# Altium PCB Gesturelink V1.PcbDoc (part 1 of 9) (continued)
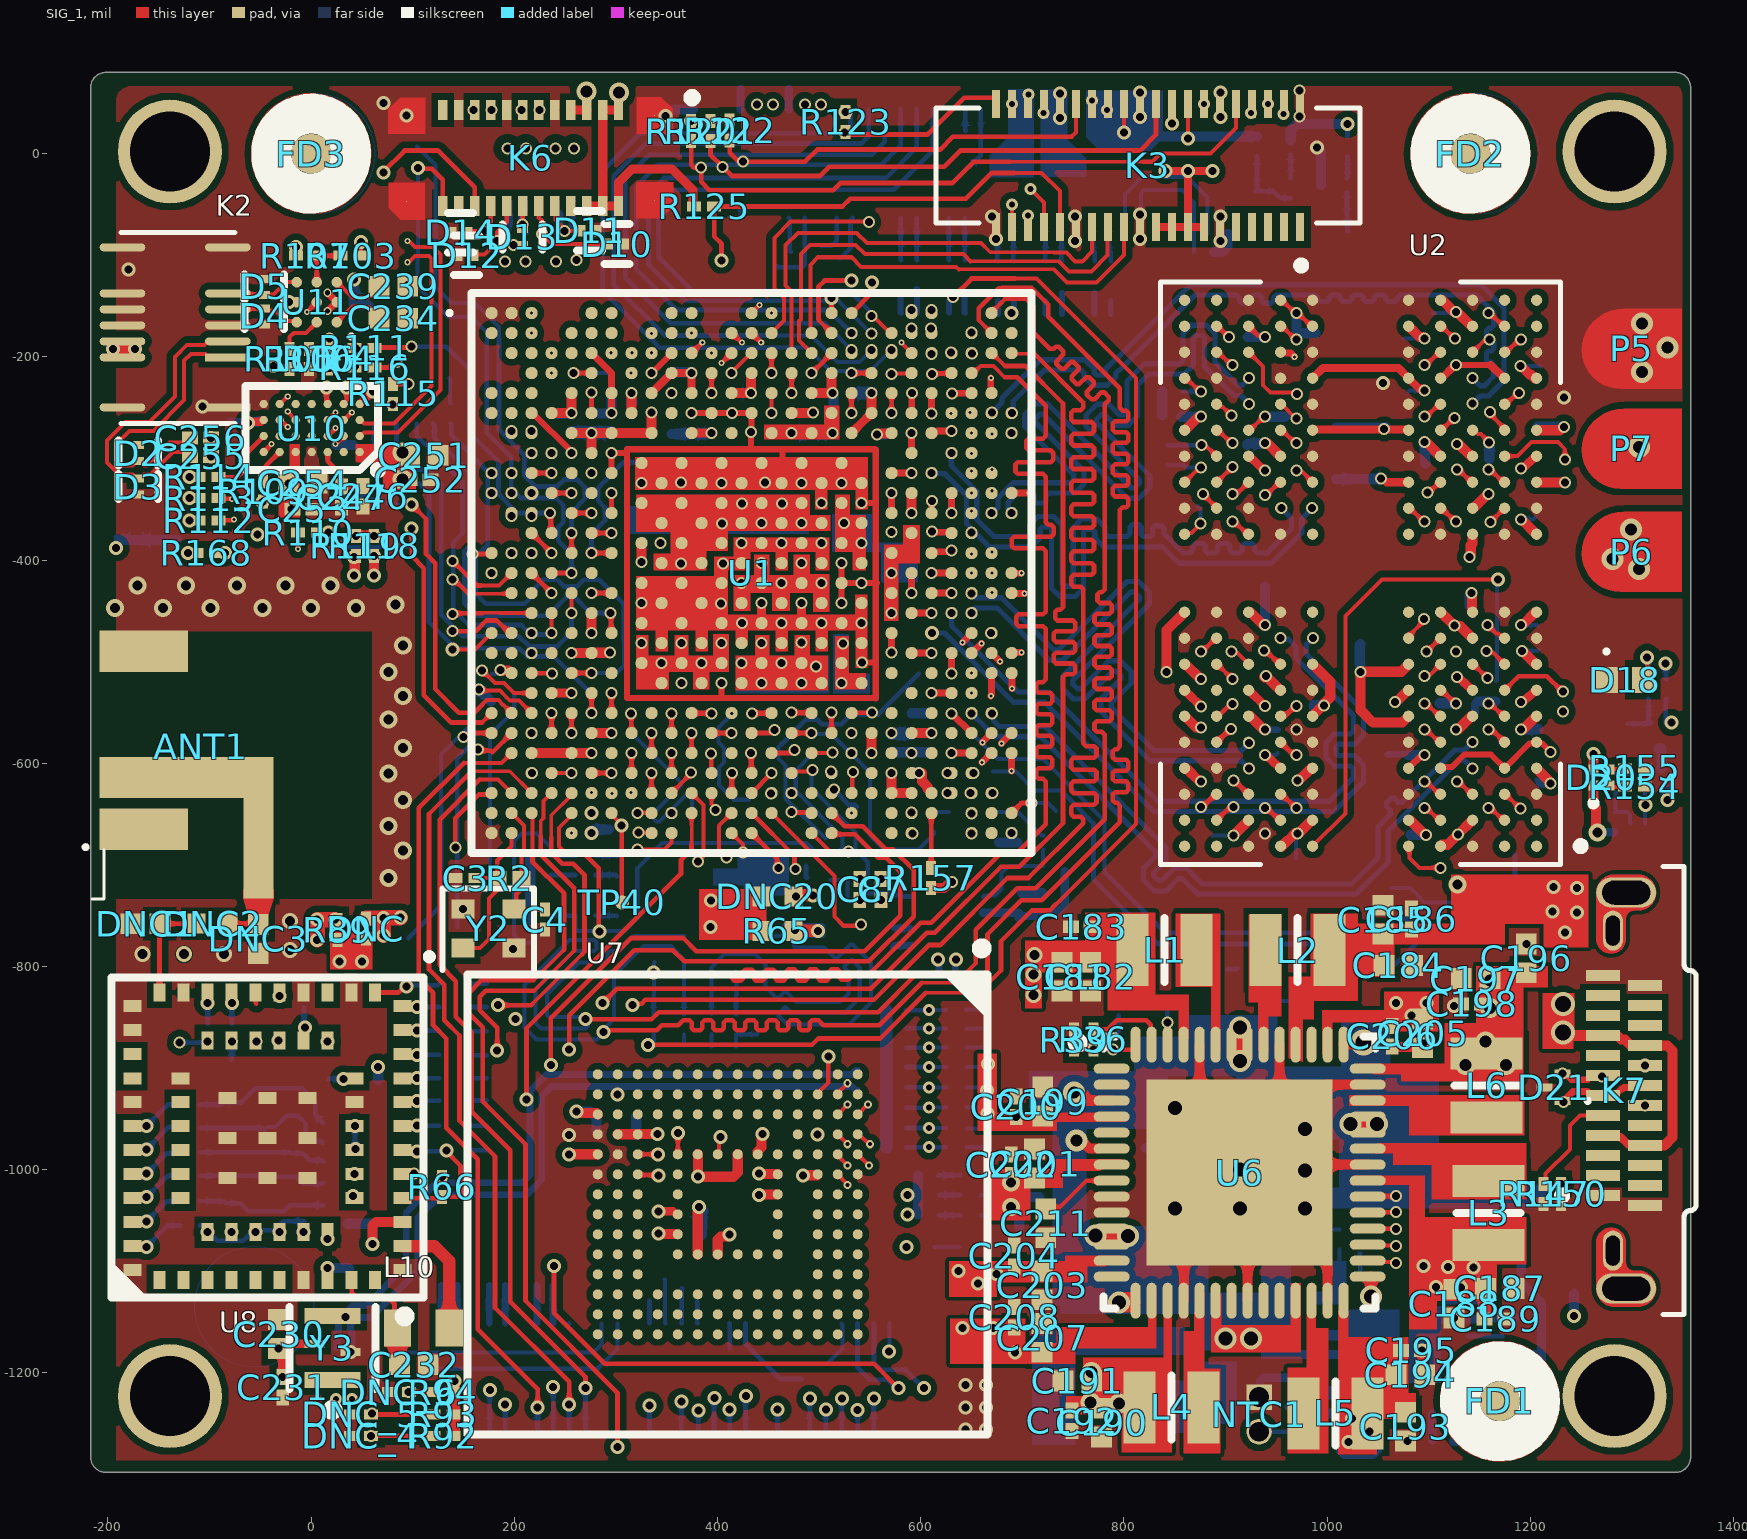
[diagram p0: SIG_1 view]
## Design rules (kind name [scope] priority, off if disabled: settings) (continued)
Width SPI_IMU [InNetClass('SPI_IMU')] p6: maxlimit=10 minlimit=4.63 preferedwidth=4.91 midlayer1_minwidth=4.67 midlayer1_maxwidth=4.67 midlayer1_prefwidth=4.67 midlayer2_maxwidth=4.63 midlayer2_prefwidth=4.63 midlayer3_minwidth=4.67 midlayer3_maxwidth=4.67 midlayer3_prefwidth=4.67 midlayer4_maxwidth=4.63 midlayer4_prefwidth=4.63 midlayer5_minwidth=4.91 midlayer5_maxwidth=4.91 midlayer6_minwidth=4.91 midlayer6_maxwidth=4.91 midlayer7_maxwidth=4.63 midlayer7_prefwidth=4.63 midlayer8_minwidth=4.67 midlayer8_maxwidth=4.67 midlayer8_prefwidth=4.67 midlayer9_maxwidth=4.63 midlayer9_prefwidth=4.63 midlayer10_minwidth=4.67 midlayer10_maxwidth=4.67 midlayer10_prefwidth=4.67 impedanceprofiledriven=TRUE impedanceprofileid={B0973272-D3A9-405B-967C-1AA3439E10BB} impedanceprofilevalue=50.000000 minimp=50.000000 maximp=50.000000 favimp=50.000000
Width DSI [InNetClass('MIPI DSI')] p7: maxlimit=10 minlimit=3.94 preferedwidth=4.91 midlayer1_minwidth=4.67 midlayer1_maxwidth=4.67 midlayer1_prefwidth=4.67 midlayer2_maxwidth=4.63 midlayer2_prefwidth=4.63 midlayer3_maxwidth=4.67 midlayer3_prefwidth=4.67 midlayer4_minwidth=4.63 midlayer4_maxwidth=4.63 midlayer4_prefwidth=4.63 midlayer5_minwidth=4.91 midlayer5_maxwidth=4.91 midlayer6_minwidth=4.91 midlayer6_maxwidth=4.91 midlayer7_minwidth=4.63 midlayer7_maxwidth=4.63 midlayer7_prefwidth=4.63 midlayer8_minwidth=4.67 midlayer8_maxwidth=4.67 midlayer8_prefwidth=4.67 midlayer9_minwidth=4.63 midlayer9_maxwidth=4.63 midlayer9_prefwidth=4.63 midlayer10_minwidth=4.67 midlayer10_maxwidth=4.67 midlayer10_prefwidth=4.67 minimp=50.000000 maximp=50.000000 favimp=50.000000
Width "LPDDR4_DAT & A/C" [InNetClass('LPDDR4_DATA')] p8: maxlimit=6.69 minlimit=3.71 preferedwidth=3.71 toplayer_minwidth=6.69 toplayer_prefwidth=6.69 midlayer1_minwidth=3.75 midlayer1_maxwidth=3.75 midlayer1_prefwidth=3.75 midlayer2_maxwidth=3.71 midlayer3_minwidth=3.75 midlayer3_maxwidth=3.75 midlayer3_prefwidth=3.75 midlayer4_maxwidth=3.71 midlayer5_minwidth=3.96 midlayer5_maxwidth=3.96 midlayer5_prefwidth=3.96 midlayer6_minwidth=3.96 midlayer6_maxwidth=3.96 midlayer6_prefwidth=3.96 midlayer7_maxwidth=3.71 midlayer8_minwidth=3.75 midlayer8_maxwidth=3.75 midlayer8_prefwidth=3.75 midlayer9_maxwidth=3.71 midlayer10_minwidth=3.75 midlayer10_maxwidth=3.75 midlayer10_prefwidth=3.75 bottomlayer_minwidth=6.69 bottomlayer_prefwidth=6.69 impedanceprofiledriven=TRUE impedanceprofileid={F86DD7B6-2C8A-4FE9-BEBE-EECCAF230F86} impedanceprofilevalue=55.000000 minimp=50.000000 maximp=50.000000 favimp=50.000000 checkconnectedcopper=TRUE
Width ALL [All] p9: maxlimit=5 minlimit=4 preferedwidth=4.91 midlayer1_minwidth=4.67 midlayer1_maxwidth=4.67 midlayer1_prefwidth=4.67 midlayer2_minwidth=4.63 midlayer2_maxwidth=4.63 midlayer2_prefwidth=4.63 midlayer3_minwidth=4.67 midlayer3_maxwidth=4.67 midlayer3_prefwidth=4.67 midlayer4_minwidth=4.63 midlayer4_maxwidth=4.63 midlayer4_prefwidth=4.63 midlayer5_minwidth=4.91 midlayer5_maxwidth=4.91 midlayer6_minwidth=4.91 midlayer6_maxwidth=4.91 midlayer7_minwidth=4.63 midlayer7_maxwidth=4.63 midlayer7_prefwidth=4.63 midlayer8_minwidth=4.67 midlayer8_maxwidth=4.67 midlayer8_prefwidth=4.67 midlayer9_minwidth=4.63 midlayer9_maxwidth=4.63 midlayer9_prefwidth=4.63 midlayer10_minwidth=4.67 midlayer10_maxwidth=4.67 midlayer10_prefwidth=4.67 minimp=50.000000 maximp=50.000000 favimp=50.000000
24 further rules are at their usual default settings.

## Classes and differential pairs
net class "High Speed Digital": COMBO_TX_N COMBO_TX_P PCIE_CLKIN_N PCIE_CLKIN_P PCIE_RX_N PCIE_RX_P PCIE_TX_N PCIE_TX_P USB3.0_A_D_N USB3.0_A_D_P USB3.0_BACK_N USB3.0_BACK_P USB3.0_BB_N USB3.0_BB_P USB3.0_D_N USB3.0_D_P USB_N USB_P WIFI_USB_N WIFI_USB_P
net class MPU_PWR: VDD_SOC_0V8
net class PMIC_BUCK: MPU_VIN
net class BAT_PACK_CHARGE_IN: LIPO_IN LIPO_IN_CHARGER MPU_VIN
net class IMU_INTERRUPTS: EXT_ADC_IRQ GPIO_EXTENDER_IRQ GPIO_EXTENDER_RESET
net class Ethernet: ETH1_MDIO ETH_RGMII_GTX_CLK ETH_RGMII_MDC ETH_RGMII_RX_CLK ETH_RGMII_RXC ETH_RGMII_RXD0 ETH_RGMII_RXD1 ETH_RGMII_RXD2 ETH_RGMII_RXD3 ETH_RGMII_TX_CTL ETH_RGMII_TXD0 ETH_RGMII_TXD1 ETH_RGMII_TXD2 ETH_RGMII_TXD3
net class USB_CHARGE_INPUT: GND NetK7_A5 NetK7_B5 NetK?_A2 NetK?_A3 NetK?_A8 NetK?_A10 NetK?_A11 NetK?_B2 NetK?_B3 NetK?_B8 NetK?_B10 NetK?_B11 NetQ3_1 STATUS_EXT_USB_MPU SYS_3V3 USB_N USB_P USB_VIN
net class STSAFE: GND I2C5_SCL I2C5_SDA NetR141_1 NetR142_1 NetR143_1 NetU50_1 NetU50_3 NetU50_6 STSAFE_RESET SYS_3V3
net class "IND_LEDS for Charging Mode": BAT_PACK_IN GND NetD20_2 NetD20_3 USB_VIN
net class BAT_PACK_CHARGE_INPUT: BAT_PACK_IN GND NetK200_1 NetQ4_1 STAT_IND STATUS_EXT_BAT_MPU SYS_3V3
net class "WIFI STRAP GPIO": NetDNC_4_1 NetDNC_5_1 NetDNC_6_1
net class WIFI_JTAG: WIFI_JTAG_SEL WIFI_NTRST WIFI_SWCLK WIFI_SWDIO WIFI_TDI WIFI_TDO
net class "WiFi & BlueTooth": BT_GPIO_3 GND NetC231_2 NetC232_2 NetDNC_4_1 NetDNC_5_1 NetDNC_6_1 NetR66_2 NetR67_2 NetR73_2 NetR74_2 NetR75_2 NetR76_2 NetR77_2 NetR78_2 NetR79_2 NetR80_2 NetR82_2 NetR83_1 NetR83_2 NetR90_1 NetR91_1 NetTP_12 NetU1_L7 NetU1_P2 NetU1_R2 NetU6_15 NetU6_25 NetU6_26 NetU6_35 NetU6_36 NetU6_37 NetU6_38 NetU6_39 NetU6_40 NetU6_44 NetU6_58 NetU6_59 NetU6_60 NetU6_61 NetU6_62 NetU8_5 NetY3_1 RF_OUT SAI2_FS_B SAI2_SCK_B SAI2_SD_A_R SAI2_SD_B_T SDMMC3_DAT0 SDMMC3_DAT1 SDMMC3_DAT2 SDMMC3_DAT3 SR_VLX SYS_1V8 SYS_3V3 UART8_CTS UART8_RTS UART8_RX UART8_TX WIFI_JTAG_SEL WIFI_NTRST WIFI_SDIO_CLK WIFI_SDIO_CMD WIFI_SDIO_DAT0 WIFI_SDIO_DAT1 WIFI_SDIO_DAT2 WIFI_SDIO_DAT3 WIFI_SDMMC3_CK WIFI_SDMMC3_CMD WIFI_SDMMC3_DAT0 WIFI_SDMMC3_DAT1 WIFI_SDMMC3_DAT2 WIFI_SDMMC3_DAT3 WIFI_SWCLK WIFI_SWDIO WIFI_TDI WIFI_TDO WIFI_USB_N WIFI_USB_P WIFI_VDDIO
net class SPI_IMU: SPI1_CS SPI1_MISO SPI1_MOSI SPI1_SCK SPI2_CS SPI2_MISO SPI2_MOSI SPI2_SCK SPI3_CS SPI3_MISO SPI3_MOSI SPI3_SCK SPI4_CS SPI4_MISO SPI4_MOSI SPI4_SCK SPI7_CS SPI7_MISO SPI7_MOSI SPI7_SCK
net class "Speaker and microphone": AIN0_N AIN0_P GND MIC_N MIC_P MIC_VDD SPEAKER_OUT_N SPEAKER_OUT_P SYS_1V8 SYS_3V3
net class "RF Frontend": ANT GND RF_OUT
net class PMIC_CTRL: NetR30_2 NetR31_2 NetR32_2 NetR36_2 NetU6_1
net class "MIPI DSI to display": DSI_CK_C_N DSI_CK_C_P DSI_CK_OUT_N DSI_CK_OUT_P DSI_CLK_N DSI_CLK_P DSI_D0_C_N DSI_D0_C_P DSI_D0_OUT_N DSI_D0_OUT_P DSI_DATA_D0_N DSI_DATA_D0_P
net class I2C_PWR: I2C7_SCL I2C7_SDA
net class DISPLAY_SPI: NetD10_1 NetD11_1 NetD12_1 NetD13_1 NetD14_1 SPI8_CSS SPI8_DCX SPI8_MISO SPI8_MOSI SPI8_SCK
net class "Audio Codec": 1V2_CODEC /PD_CODEC AIN0_N AIN0_P BKUP_IRQ_CODEC CLKIN_CODEC GND MAIN_IRQ_CODEC MIC_VDD NetC246_2 NetC300_2 NetR109_2 NetR110_2 NetR111_2 NetR112_2 NetR113_2 NetR114_2 NetR115_1 NetR116_1 NetR168_1 NetU?_B4 NetU?_C4 NetU?_C6 NetU?_D4 NetU?_D5 SAI3_FS_B SAI3_SCK_B SAI3_SD_A SAI3_SD_B SPEAKER_N SPEAKER_P SYS_1V8 UART5_RX UART5_TX
net class "AFE Filtering and PreAmp": GND NetR103_2 NetR104_2 NetR105_2 PA_GAIN PA_SHDN PA_SHDN_MODE SPEAKER_CAP_N SPEAKER_CAP_P SPEAKER_N SPEAKER_P SYS_3V3
net class LPDDR4_DATA: DDR_CA0_A DDR_CA0_B DDR_CA1_A DDR_CA1_B DDR_CA2_A DDR_CA2_B DDR_CA3_A DDR_CA3_B DDR_CA4_A DDR_CA4_B DDR_CA5_A DDR_CA5_B DDR_CK_A_N DDR_CK_A_P DDR_CK_B_N DDR_CK_B_P DDR_CKE0_A DDR_CKE0_B DDR_CKE1_A DDR_CKE1_B DDR_CS0_A DDR_CS0_B DDR_CS1_A DDR_CS1_B DDR_DQ0_A DDR_DQ0_B DDR_DQ1_A DDR_DQ1_B DDR_DQ2_A DDR_DQ2_B DDR_DQ3_A DDR_DQ3_B DDR_DQ4_A DDR_DQ4_B DDR_DQ5_A DDR_DQ5_B DDR_DQ6_A DDR_DQ6_B DDR_DQ7_A DDR_DQ7_B DDR_DQ8_A DDR_DQ8_B DDR_DQ9_A DDR_DQ9_B DDR_DQ10_A DDR_DQ10_B DDR_DQ11_A DDR_DQ11_B DDR_DQ12_A DDR_DQ12_B DDR_DQ13_A DDR_DQ13_B DDR_DQ14_A DDR_DQ14_B DDR_DQ15_A DDR_DQ15_B DDR_DQM0_A DDR_DQM0_B DDR_DQM1_A DDR_DQM1_B DDR_RESET DSQ0_A_N DSQ0_A_P DSQ0_B_N DSQ0_B_P DSQ1_A_N DSQ1_A_P DSQ1_B_N DSQ1_B_P NetR9_2 NetR10_2 NetR11_2 NetR12_2 VDDQDDR_1V1
net class LPDDR4_PWR: VDDQDDR_1V1 VPP_DDR_1V8
net class eMMC: eMMC_CLK eMMC_CLK_MPU eMMC_CMD eMMC_CMD_MPU eMMC_DAT0 eMMC_DAT0_MPU eMMC_DAT1 eMMC_DAT1_MPU eMMC_DAT2 eMMC_DAT2_MPU eMMC_DAT3 eMMC_DAT3_MPU eMMC_DAT4 eMMC_DAT4_MPU eMMC_DAT5 eMMC_DAT5_MPU eMMC_DAT6 eMMC_DAT6_MPU eMMC_DAT7 eMMC_DAT7_MPU eMMC_DS eMMC_DS_MPU eMMC_RST eMMC_RST_MPU GND NetC226_2 NetU20_A7 NetU20_E5 NetU20_E8 NetU20_E9 NetU20_E10 NetU20_F10 NetU20_G3 NetU20_G10 NetU20_K6 NetU20_K7 NetU20_K10 NetU20_P7 NetU20_P10 SDMMC2_1V8 SDMMC2_3V3 VDD_EMMC
component class U_Display: C259 C260 C261 C262 D10 D11 D12 D13 D14 K6 R133 R134 R135 R136 R137 R138 R139 R140 U?
component class U_CPU_Peripherals: C265 C266 Q5 Q6 R148 R149 R156 R157 R158 R159 R160 R161 R162 R171 R172 U13
component class U_Audio: C234 C239 C244 C245 C246 C247 C248 C249 C250 C251 C252 C253 C254 C255 C256 C257 C258 C300 D2 D3 D4 D5 K2 R103 R104 R105 R106 R107 R109 R110 R111 R112 R113 R114 R115 R116 R118 R119 R168 U10 U11 Y4
component class "U_WIFI and BLE": ANT1 C227 C228 C229 C230 C231 C232 C233 DNC DNC1 DNC2 DNC3 DNC_4 DNC_5 DNC_6 L10 R66 R67 R68 R69 R70 R71 R72 R73 R74 R75 R76 R77 R78 R79 R80 R82 R83 R84 R85 R86 R87 R88 R89 R90 R91 R92 R93 R94 R185 TP TP1 TP2 TP3 TP4 TP5 TP6 TP21 TP22 TP23 TP24 TP25 TP26 TP27 TP28 TP40 U8 Y3
component class "U_Power Management": C152 C153 C154 C159 C160 C161 C162 C163 C164 C165 C166 C167 C168 C169 C170 C171 C172 C173 C174 C175 C176 C177 C178 C179 C180 C181 C182 C183 C184 C185 C186 C187 C188 C189 C190 C191 C192 C193 C194 C195 C196 C197 C198 C199 C200 C201 C202 C203 C204 C205 C206 C207 C208 C211 C271 C272 C273 C274 C275 C276 C277 D1 D30 F1 F2 F3 K1 L1 L2 L3 L4 L5 L6 L11 NTC1 R13 R14 R15 R16 R17 R18 R19 R20 R21 R22 R26 R27 R28 R29 R30 R31 R32 R33 R34 R35 R36 R37 R38 R39 R40 R173 R174 R175 TP30 TP31 TP32 U3 U6 U20
component class "U_IMU Gesture Recognition Sensors": K3 R120 R121 R122 R123 R125
component class U_CPU_DDR: C1 C2 C3 C4 C7 C8 R1 R2 R3 R4 R5 R6 R7 U1 Y1 Y2
component class "U_Transport Layer Security": C263 C264 R141 R142 R143 R144 R145 R146 U12
component class U_CPU_power: C15 C17 C18 C19 C20 C21 C22 C23 C24 C25 C26 C27 C28 C29 C30 C31 C32 C33 C34 C35 C36 C37 C38 C39 C40 C41 C42 C43 C44 C45 C46 C48 C50 C51 C52 C53 C54 C55 C56 C57 C58 C59 C60 C61 C64 C65 C67 C70 C72 C73 C74 C75 C76 C77 C78 C79 C80 C81 C82 C83 C85 C86 C87 C88 C89 C90 C91 C93 C94 C95 C96 C270
component class "U_Connector B": D23 K5 Q1 Q2 R128 R129 R130 R131 R132 R169 R170 U300 U301 U302
component class "U_Connector A": K4 U220 U221 U222
component class "U_External Power Connectors": D15 D17 D18 D20 D21 FD1 FD2 FD3 FD4 FD5 FD6 K7 P1 P2 P5 P6 P7 Q3 Q4 R147 R150 R151 R152 R153 R154 R155 R164 R165 R166
component class "U_eMMC Memory": C216 C217 C218 C219 C220 C221 C222 C223 C224 C225 C226 DNC20 R44 R45 R46 R47 R48 R49 R50 R51 R52 R53 R54 R55 R56 R57 R58 R59 R60 R61 R62 R63 R64 R65 TP7 TP8 TP9 TP10 TP11 TP12 TP13 TP14 TP15 TP16 TP17 TP18 U7
component class U_LPDDR4: C97 C98 C99 C100 C101 C102 C103 C104 C105 C106 C107 C108 C109 C110 C111 C112 C113 C114 C115 C116 C117 C118 C119 C120 C121 C122 C123 C124 C125 C126 C127 C128 C129 C130 C131 C132 C133 C134 C135 C136 C138 C139 C140 C141 C142 C143 C144 C145 C146 C147 C148 C149 C150 C151 R8 R9 R10 R11 R12 U2
differential pair CSI_D0: +CSI_D0_P -CSI_D0_N
differential pair CSI_CK: +CSI_CK_P -CSI_CK_N
differential pair DSI_D0_OUT: +DSI_D0_OUT_P -DSI_D0_OUT_N
differential pair DSI_D0_C: +DSI_D0_C_P -DSI_D0_C_N
differential pair DSI_CK_OUT: +DSI_CK_OUT_P -DSI_CK_OUT_N
differential pair DSI_CK_C: +DSI_CK_C_P -DSI_CK_C_N
differential pair USB3.0_BB: +USB3.0_BB_P -USB3.0_BB_N
differential pair USB3.0_A_D: +USB3.0_A_D_P -USB3.0_A_D_N
differential pair USB3.0_D: +USB3.0_D_P -USB3.0_D_N
differential pair PCIE_TX: +PCIE_TX_P -PCIE_TX_N
differential pair COMBO_TX: +COMBO_TX_P -COMBO_TX_N
differential pair USB: +USB_P -USB_N
differential pair SPEAKER_CAP: +SPEAKER_CAP_P -SPEAKER_CAP_N
differential pair LVDS1_D3: +LVDS1_D3_P -LVDS1_D3_N
differential pair LVDS1_D2: +LVDS1_D2_P -LVDS1_D2_N
differential pair LVDS1_D1: +LVDS1_D1_P -LVDS1_D1_N
differential pair LVDS1_D0: +LVDS1_D0_P -LVDS1_D0_N
differential pair LVDS1_CLK: +LVDS1_CLK_P -LVDS1_CLK_N
differential pair USB3.0_BACK: +USB3.0_BACK_P -USB3.0_BACK_N
differential pair PCIE_RX: +PCIE_RX_P -PCIE_RX_N
differential pair PCIE_CLKIN: +PCIE_CLKIN_P -PCIE_CLKIN_N
differential pair AIN0: +AIN0_P -AIN0_N
differential pair SPEAKER_OUT: +SPEAKER_OUT_P -SPEAKER_OUT_N
differential pair SPEAKER: +SPEAKER_P -SPEAKER_N
differential pair MIC: +MIC_P -MIC_N
differential pair WIFI_USB: +WIFI_USB_P -WIFI_USB_N
differential pair DSI_DATA_D0: +DSI_DATA_D0_P -DSI_DATA_D0_N
differential pair DSI_CLK: +DSI_CLK_P -DSI_CLK_N
differential pair DSQ1_B: +DSQ1_B_P -DSQ1_B_N
differential pair DSQ1_A: +DSQ1_A_P -DSQ1_A_N
differential pair DSQ0_B: +DSQ0_B_P -DSQ0_B_N
differential pair DSQ0_A: +DSQ0_A_P -DSQ0_A_N
differential pair DDR_CK_B: +DDR_CK_B_P -DDR_CK_B_N
differential pair DDR_CK_A: +DDR_CK_A_P -DDR_CK_A_N

## Components (designator, comment, footprint, x,y, rotation, side; value= is the part's Value field where it differs from the comment)
ANT1 "ANT5320LL24R2455A" ANT5320LL24R2455A -164.83,-664.99 r90 top locked
C1 "GCM0335C1H160FA16D" CAPC0603X03L 73,-353.76 r90 bottom
C2 "GCM0335C1H160FA16D" CAPC0603X03L 73,-397.23 r90 bottom
C3 "GJM0335C1E200FB01D" RESC0603X03L 152,-712.99 r0 top
C4 "GJM0335C1E200FB01D" RESC0603X03L 230,-753.99 r90 top
C7 "0.1uF" CAPC0603X03L 561,-724.23 r270 top
C8 "0.1uF" CAPC0603X03L 540,-724.23 r270 top
C15 "0.1uF" CAPC0603X03L 347,-511.99 r90 bottom locked
C17 "0.1uF" CAPC0603X03L 405,-511.99 r90 bottom locked
C18 "0.1uF" CAPC0603X03L 285,-481.99 r135 bottom
C19 "0.1uF" CAPC0603X03L 386,-511.99 r90 bottom locked
C20 "0.1uF" CAPC0603X03L 367,-511.99 r90 bottom locked
C21 "4.7uF" CAPC1005X06L 327,-506.99 r90 bottom
C22 "0.1uF" CAPC0603X03L 344.89,-334.49 r270 bottom locked
C23 "0.1uF" CAPC0603X03L 384,-334.99 r270 bottom locked
C24 "0.1uF" CAPC0603X03L 364,-334.99 r270 bottom locked
C25 "0.1uF" CAPC0603X03L 404,-334.99 r270 bottom locked
C26 "0.1uF" CAPC0603X03L 345,-374.99 r90 bottom locked
C27 "0.1uF" CAPC0603X03L 364,-374.99 r90 bottom
C28 "0.1uF" CAPC0603X03L 384.26,-374.99 r90 bottom
C29 "0.1uF" CAPC0603X03L 403.95,-374.99 r90 bottom
C30 "0.1uF" CAPC0603X03L 364,-414.99 r90 bottom locked
C31 "4.7uF" CAPC1005X06L 325.2,-343.94 r270 bottom locked
C32 "0.1uF" CAPC0603X03L 444,-333.99 r270 bottom locked
C33 "0.1uF" CAPC0603X03L 463,-334.49 r270 bottom locked
C34 "0.1uF" CAPC0603X03L 482.68,-334.49 r270 bottom locked
C35 "0.1uF" CAPC0603X03L 482,-374.99 r90 bottom locked
C36 "0.1uF" CAPC0603X03L 443.31,-374.99 r90 bottom
C37 "4.7uF" CAPC1005X06L 424,-332.99 r270 bottom locked
C38 "0.1uF" CAPC0603X03L 463,-452.6 r90 bottom locked
C39 "0.1uF" CAPC0603X03L 502.37,-452.6 r90 bottom locked
C40 "0.1uF" CAPC0603X03L 443.32,-471.5 r270 bottom locked
C41 "0.1uF" CAPC0603X03L 463,-491.97 r270 bottom locked
C42 "0.1uF" CAPC0603X03L 443.31,-432.91 r90 bottom locked
C43 "0.1uF" CAPC0603X03L 482.68,-432.91 r90 bottom locked
C44 "0.1uF" CAPC0603X03L 423.63,-491.18 r270 bottom locked
C45 "0.1uF" CAPC0603X03L 482.68,-472.28 r270 bottom locked
C46 "0.1uF" CAPC0603X03L 502.37,-491.97 r270 bottom locked
C48 "4.7uF" CAPC1005X06L 423,-438.82 r90 bottom
C50 "0.1uF" CAPC0603X03L 571.27,-381.91 r270 bottom
C51 "0.1uF" CAPC0603X03L 571.27,-423.07 r90 bottom locked
C52 "0.1uF" CAPC0603X03L 521,-471.99 r270 bottom locked
C53 "0.1uF" CAPC0603X03L 522.05,-353.39 r270 bottom locked
C54 "0.1uF" CAPC0603X03L 541.74,-393.54 r90 bottom locked
C55 "0.1uF" CAPC0603X03L 522.06,-393.54 r90 bottom locked
C56 "0.1uF" CAPC0603X03L 541.74,-353.39 r270 bottom locked
C57 "0.1uF" CAPC0603X03L 571.27,-284.49 r90 bottom locked
C58 "4.7uF" CAPC1005X06L 544.74,-506.93 r270 bottom
C59 "0.1uF" CAPC0603X03L 492.39,-286.45 r90 bottom
C60 "0.1uF" CAPC0603X03L 315.36,-265.2 r90 bottom
C61 "0.1uF" CAPC0603X03L 256.31,-245.12 r270 bottom locked
C64 "0.1uF" CAPC0603X03L 513,-286.25 r90 bottom
C65 "0.1uF" CAPC0603X03L 226,-255.99 r0 bottom
C67 "4.7uF" CAPC1005X06L 456,-274.99 r0 bottom locked
C70 "0.1uF" CAPC0603X03L 571.27,-599.45 r90 bottom locked
C72 "0.1uF" CAPC0603X03L 325.2,-412.13 r90 bottom
C73 "0.1uF" CAPC0603X03L 275.99,-285.28 r90 bottom locked
C74 "0.1uF" CAPC0603X03L 533,-245.99 r90 bottom
C75 "0.1uF" CAPC0603X03L 553,-245.91 r90 bottom locked
C76 "0.1uF" CAPC0603X03L 217,-579.99 r90 bottom locked
C77 "0.1uF" CAPC0603X03L 285.44,-570.32 r0 bottom
C78 "0.1uF" CAPC0603X03L 587.95,-600.24 r270 bottom
C79 "0.1uF" CAPC0603X03L 607.64,-599.45 r270 bottom
C80 "0.1uF" CAPC0603X03L 257.31,-284.49 r90 bottom
C81 "0.1uF" CAPC0603X03L 295.68,-265.59 r270 bottom locked
C82 "0.1uF" CAPC0603X03L 335,-244.99 r270 bottom
C83 "4.7uF" CAPC1005X06L 495.17,-235.99 r0 bottom
C85 "0.1uF" CAPC0603X03L 502,-255.99 r0 bottom
C86 "4.7uF" CAPC1005X06L 414,-246.02 r90 bottom
C87 "0.1uF" CAPC0603X03L 354.73,-225.43 r90 bottom locked
C88 "0.1uF" CAPC0603X03L 346,-275.99 r0 bottom
C89 "0.1uF" CAPC0603X03L 374.42,-265.59 r270 bottom locked
C90 "0.1uF" CAPC0603X03L 374.42,-226.22 r90 bottom locked
C91 "0.1uF" CAPC0603X03L 393.1,-264.8 r270 bottom
C93 "4.7uF" CAPC1005X06L 297,-650.99 r270 bottom
C94 "0.1uF" CAPC0603X03L 274,-655.99 r270 bottom
C95 "0.1uF" CAPC0603X03L 561.03,-570.32 r0 bottom locked
C96 "0.1uF" CAPC0603X03L 590.95,-560.87 r270 bottom locked
C97 "4.7uF" CAPC1005X06L 955,-693.99 r0 bottom
C98 "0.1uF" CAPC0603X03L 1206,-605.99 r270 bottom
C99 "0.1uF" CAPC0603X03L 1060,-580.99 r270 bottom
C100 "0.1uF" CAPC0603X03L 1080,-223.76 r270 bottom
C101 "0.1uF" CAPC0603X03L 1160,-310.99 r90 bottom
C102 "0.1uF" CAPC0603X03L 921,-189.99 r90 bottom
C103 "0.1uF" CAPC0603X03L 1136,-679.99 r135 bottom
C104 "0.1uF" CAPC0603X03L 971,-605.99 r270 bottom
C105 "0.1uF" CAPC0603X03L 951,-579.99 r90 bottom
C106 "0.1uF" CAPC0603X03L 908,-682.99 r90 bottom
C107 "0.1uF" CAPC0603X03L 1082,-680.99 r90 bottom
C108 "0.1uF" CAPC0603X03L 1148,-528.99 r270 bottom
C109 "0.1uF" CAPC0603X03L 970,-186.99 r90 bottom
C110 "0.1uF" CAPC0603X03L 887,-681.99 r90 bottom
C111 "0.1uF" CAPC0603X03L 1094.24,-156.99 r0 bottom
C112 "0.1uF" CAPC0603X03L 848,-233.99 r0 bottom
C113 "0.1uF" CAPC0603X03L 1066,-181.99 r0 bottom
C114 "0.1uF" CAPC0603X03L 970,-298.23 r270 bottom
C115 "0.1uF" CAPC0603X03L 1210,-219.99 r90 bottom
C116 "0.1uF" CAPC0603X03L 886.24,-617.99 r180 bottom
C117 "0.1uF" CAPC0603X03L 959,-247.99 r270 bottom
C118 "0.1uF" CAPC0603X03L 1109,-528.99 r270 bottom
C119 "0.1uF" CAPC0603X03L 1191,-268.99 r0 bottom
C120 "0.1uF" CAPC0603X03L 1097,-314.99 r90 bottom
C121 "0.1uF" CAPC0603X03L 921,-296.76 r90 bottom
C122 "0.1uF" CAPC0603X03L 846,-258.99 r0 bottom
C123 "0.1uF" CAPC0603X03L 940,-528.99 r90 bottom
C124 "0.1uF" CAPC0603X03L 864,-565.99 r0 bottom
C125 "0.1uF" CAPC0603X03L 1208,-555.99 r270 bottom
C126 "4.7uF" CAPC1005X06L 1234,-258.99 r270 bottom
C127 "0.1uF" CAPC0603X03L 949,-425.99 r180 bottom
C128 "0.1uF" CAPC0603X03L 1208,-498.99 r90 bottom
C129 "0.1uF" CAPC0603X03L 1205,-367.99 r90 bottom
C130 "0.1uF" CAPC0603X03L 990,-186.99 r90 bottom
C131 "0.1uF" CAPC0603X03L 1058,-258.76 r270 bottom
C132 "0.1uF" CAPC0603X03L 1009,-259.23 r270 bottom
C133 "0.1uF" CAPC0603X03L 842,-520.99 r90 bottom
C134 "0.1uF" CAPC0603X03L 1058,-308.99 r270 bottom
C135 "4.7uF" CAPC1005X06L 1126,-444.99 r0 bottom